# Altium PCB Main_PCB.PcbDoc (part 2 of 13)
Units mil, origin at the board's own origin, x right, y up, seen from the top; angles counter-clockwise.
Board outline 5200 x 6000 mil, 12 copper layers (Top (L1), Int1 (l2), Int2 (L3), Int3 (L4), Int4 (L5), Int5 (L6), Int6 (L7), Int7 (L8), Int8 (L9), Int9 (L10), Int10 (L11), Bot (L12)), stack 94.81 mil thick; 88 components, 424 nets, 1789 pads, 1684 vias.
Unrouted connection lines stored in the file: 914.
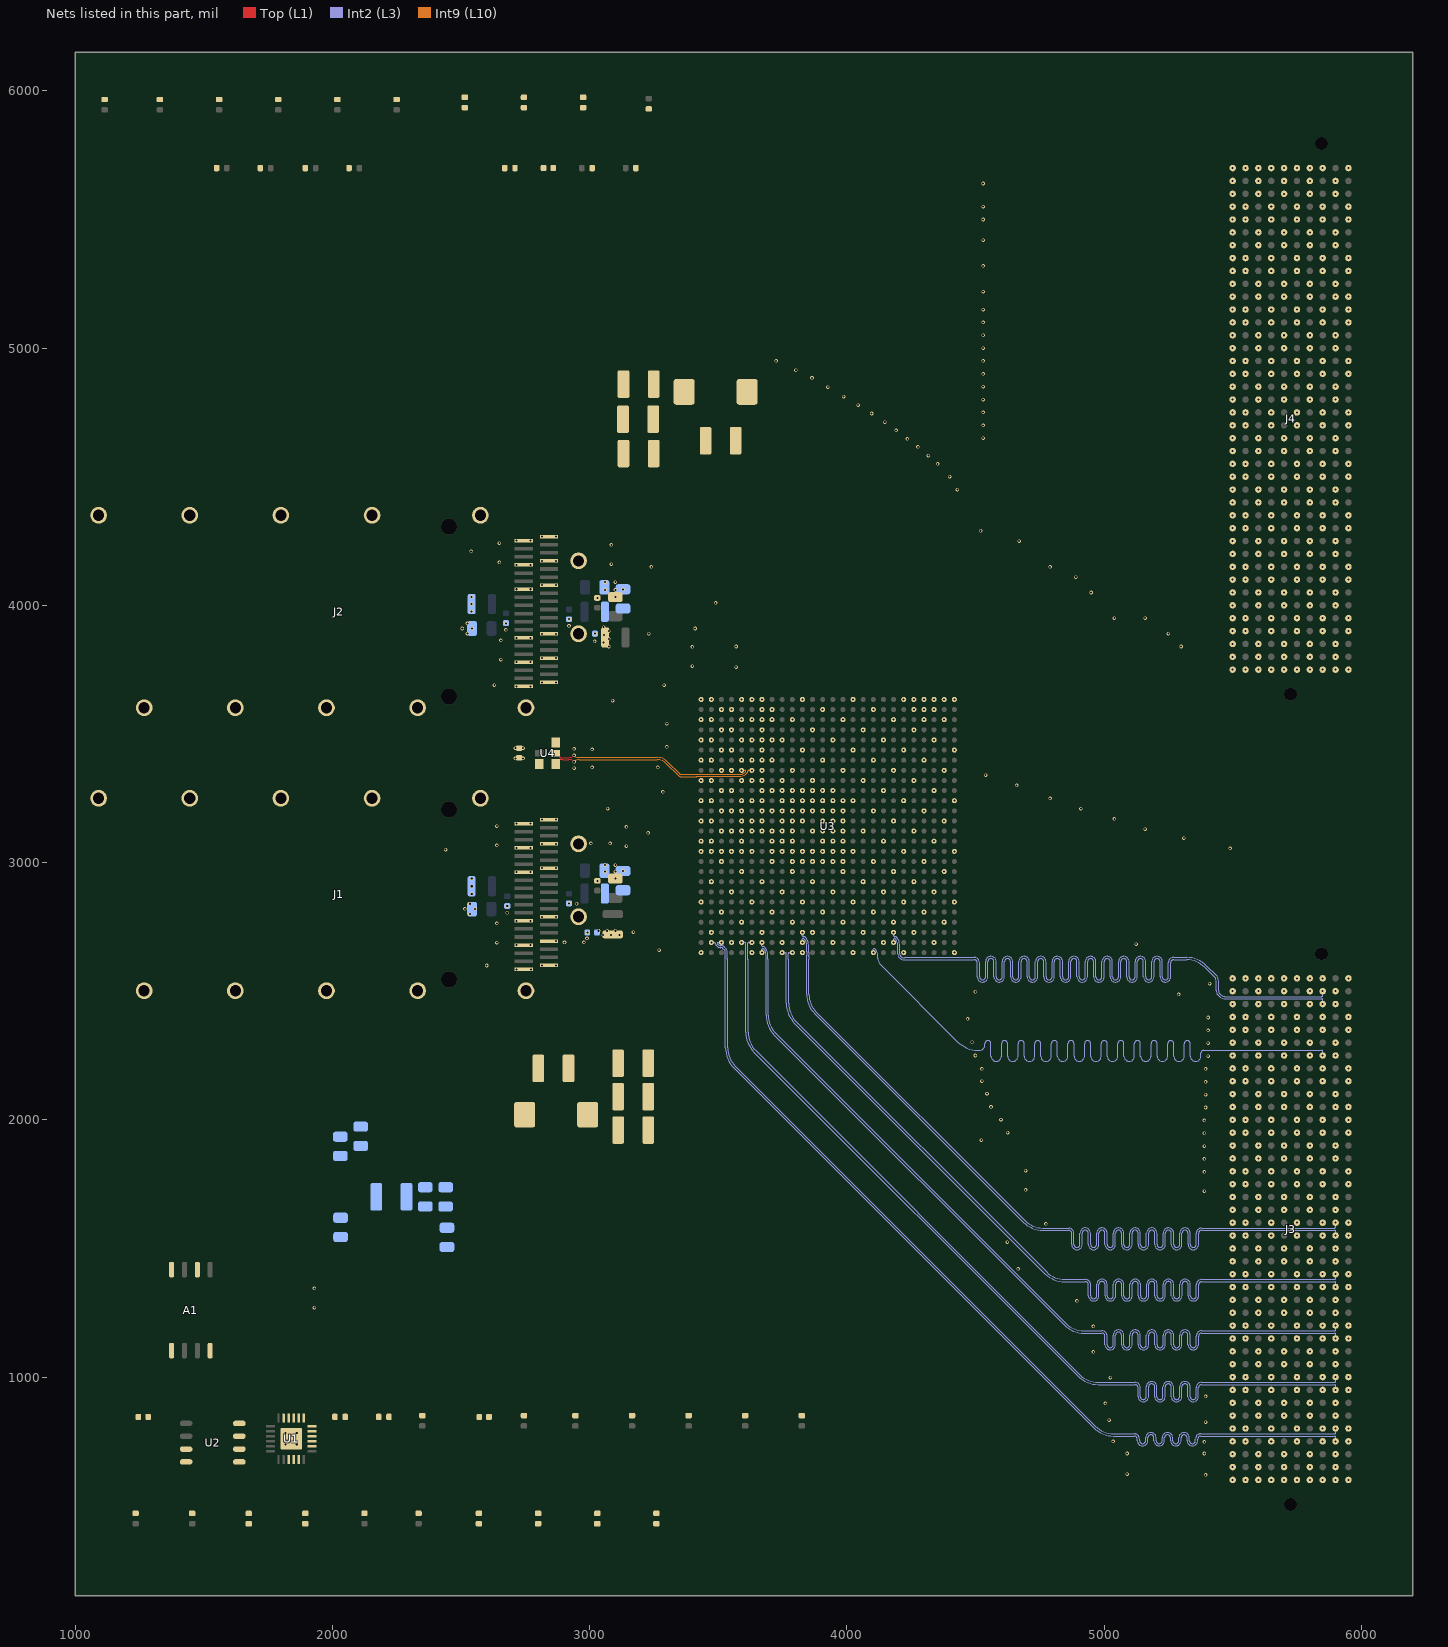
[diagram p12: the nets of this part, all layers, seen from the top]

## Footprints (in the part's own frame and the unit in brackets; to place one, negate y for a bottom-side part, rotate by r counter-clockwise, add the part's x,y. Pads: shape width x height; smd on the part's side, far side on the other; paste and mask are expansions set on the pad) (continued)
SAMTEC_ASP-134486-01 [mm]
  round 0.64 smd paste-1: A1(-24.765,5.715) A2(-23.495,5.715) A3(-22.225,5.715) A4(-20.955,5.715) A5(-19.685,5.715) A6(-18.415,5.715) A7(-17.145,5.715) A8(-15.875,5.715) A9(-14.605,5.715) A10(-13.335,5.715) A11(-12.065,5.715) A12(-10.795,5.715) A13(-9.525,5.715) A14(-8.255,5.715) A15(-6.985,5.715) A16(-5.715,5.715) A17(-4.445,5.715) A18(-3.175,5.715) A19(-1.905,5.715) A20(-0.635,5.715) A21(0.635,5.715) A22(1.905,5.715) A23(3.175,5.715) A24(4.445,5.715) A25(5.715,5.715) A26(6.985,5.715) A27(8.255,5.715) A28(9.525,5.715) A29(10.795,5.715) A30(12.065,5.715) A31(13.335,5.715) A32(14.605,5.715) A33(15.875,5.715) A34(17.145,5.715) A35(18.415,5.715) A36(19.685,5.715) A37(20.955,5.715) A38(22.225,5.715) A39(23.495,5.715) A40(24.765,5.715) B1(-24.765,4.445) B2(-23.495,4.445) B3(-22.225,4.445) B4(-20.955,4.445) B5(-19.685,4.445) B6(-18.415,4.445) B7(-17.145,4.445) B8(-15.875,4.445) B9(-14.605,4.445) B10(-13.335,4.445) B11(-12.065,4.445) B12(-10.795,4.445) B13(-9.525,4.445) B14(-8.255,4.445) B15(-6.985,4.445) B16(-5.715,4.445) B17(-4.445,4.445) B18(-3.175,4.445) B19(-1.905,4.445) B20(-0.635,4.445) B21(0.635,4.445) B22(1.905,4.445) B23(3.175,4.445) B24(4.445,4.445) B25(5.715,4.445) B26(6.985,4.445) B27(8.255,4.445) B28(9.525,4.445) B29(10.795,4.445) B30(12.065,4.445) B31(13.335,4.445) B32(14.605,4.445) B33(15.875,4.445) B34(17.145,4.445) B35(18.415,4.445) B36(19.685,4.445) B37(20.955,4.445) B38(22.225,4.445) B39(23.495,4.445) B40(24.765,4.445) C1(-24.765,3.175) C2(-23.495,3.175) C3(-22.225,3.175) C4(-20.955,3.175) C5(-19.685,3.175) C6(-18.415,3.175) C7(-17.145,3.175) C8(-15.875,3.175) C9(-14.605,3.175) C10(-13.335,3.175) C11(-12.065,3.175) C12(-10.795,3.175) C13(-9.525,3.175) C14(-8.255,3.175) C15(-6.985,3.175) C16(-5.715,3.175) C17(-4.445,3.175) C18(-3.175,3.175) C19(-1.905,3.175) C20(-0.635,3.175) C21(0.635,3.175) C22(1.905,3.175) C23(3.175,3.175) C24(4.445,3.175) C25(5.715,3.175) C26(6.985,3.175) C27(8.255,3.175) C28(9.525,3.175) C29(10.795,3.175) C30(12.065,3.175) C31(13.335,3.175) C32(14.605,3.175) C33(15.875,3.175) C34(17.145,3.175) C35(18.415,3.175) C36(19.685,3.175) C37(20.955,3.175) C38(22.225,3.175) C39(23.495,3.175) C40(24.765,3.175) D1(-24.765,1.905) D2(-23.495,1.905) D3(-22.225,1.905) D4(-20.955,1.905) D5(-19.685,1.905) D6(-18.415,1.905) D7(-17.145,1.905) D8(-15.875,1.905) D9(-14.605,1.905) D10(-13.335,1.905) D11(-12.065,1.905) D12(-10.795,1.905) D13(-9.525,1.905) D14(-8.255,1.905) D15(-6.985,1.905) D16(-5.715,1.905) D17(-4.445,1.905) D18(-3.175,1.905) D19(-1.905,1.905) D20(-0.635,1.905) D21(0.635,1.905) D22(1.905,1.905) D23(3.175,1.905) D24(4.445,1.905) D25(5.715,1.905) D26(6.985,1.905) D27(8.255,1.905) D28(9.525,1.905) D29(10.795,1.905) D30(12.065,1.905) D31(13.335,1.905) D32(14.605,1.905) D33(15.875,1.905) D34(17.145,1.905) D35(18.415,1.905) D36(19.685,1.905) D37(20.955,1.905) D38(22.225,1.905) D39(23.495,1.905) D40(24.765,1.905) E1(-24.765,0.635) E2(-23.495,0.635) E3(-22.225,0.635) E4(-20.955,0.635) E5(-19.685,0.635) E6(-18.415,0.635) E7(-17.145,0.635) E8(-15.875,0.635) E9(-14.605,0.635) E10(-13.335,0.635) E11(-12.065,0.635) E12(-10.795,0.635) E13(-9.525,0.635) E14(-8.255,0.635) E15(-6.985,0.635) E16(-5.715,0.635) E17(-4.445,0.635) E18(-3.175,0.635) E19(-1.905,0.635) E20(-0.635,0.635) E21(0.635,0.635) E22(1.905,0.635) E23(3.175,0.635) E24(4.445,0.635) E25(5.715,0.635) E26(6.985,0.635) E27(8.255,0.635) E28(9.525,0.635) E29(10.795,0.635) E30(12.065,0.635) E31(13.335,0.635) E32(14.605,0.635) E33(15.875,0.635) E34(17.145,0.635) E35(18.415,0.635) E36(19.685,0.635) E37(20.955,0.635) E38(22.225,0.635) E39(23.495,0.635) E40(24.765,0.635) F1(-24.765,-0.635) F2(-23.495,-0.635) F3(-22.225,-0.635) F4(-20.955,-0.635) F5(-19.685,-0.635) F6(-18.415,-0.635) F7(-17.145,-0.635) F8(-15.875,-0.635) F9(-14.605,-0.635) F10(-13.335,-0.635) F11(-12.065,-0.635) F12(-10.795,-0.635) F13(-9.525,-0.635) F14(-8.255,-0.635) F15(-6.985,-0.635) F16(-5.715,-0.635) F17(-4.445,-0.635) F18(-3.175,-0.635) F19(-1.905,-0.635) F20(-0.635,-0.635) F21(0.635,-0.635) F22(1.905,-0.635) F23(3.175,-0.635) F24(4.445,-0.635) F25(5.715,-0.635) F26(6.985,-0.635) F27(8.255,-0.635) F28(9.525,-0.635) F29(10.795,-0.635) F30(12.065,-0.635) F31(13.335,-0.635) F32(14.605,-0.635) F33(15.875,-0.635) F34(17.145,-0.635) F35(18.415,-0.635) F36(19.685,-0.635) F37(20.955,-0.635) F38(22.225,-0.635) F39(23.495,-0.635) F40(24.765,-0.635) G1(-24.765,-1.905) G2(-23.495,-1.905) G3(-22.225,-1.905) G4(-20.955,-1.905) G5(-19.685,-1.905) G6(-18.415,-1.905) G7(-17.145,-1.905) G8(-15.875,-1.905) G9(-14.605,-1.905) G10(-13.335,-1.905) G11(-12.065,-1.905) G12(-10.795,-1.905) G13(-9.525,-1.905) G14(-8.255,-1.905) G15(-6.985,-1.905) G16(-5.715,-1.905) G17(-4.445,-1.905) G18(-3.175,-1.905) G19(-1.905,-1.905) G20(-0.635,-1.905) G21(0.635,-1.905) G22(1.905,-1.905) G23(3.175,-1.905) G24(4.445,-1.905) G25(5.715,-1.905) G26(6.985,-1.905) G27(8.255,-1.905) G28(9.525,-1.905) G29(10.795,-1.905) G30(12.065,-1.905) G31(13.335,-1.905) G32(14.605,-1.905) G33(15.875,-1.905) G34(17.145,-1.905) G35(18.415,-1.905) G36(19.685,-1.905) G37(20.955,-1.905) G38(22.225,-1.905) G39(23.495,-1.905) G40(24.765,-1.905) H1(-24.765,-3.175) H2(-23.495,-3.175) H3(-22.225,-3.175) H4(-20.955,-3.175) H5(-19.685,-3.175) H6(-18.415,-3.175) H7(-17.145,-3.175) H8(-15.875,-3.175) H9(-14.605,-3.175) H10(-13.335,-3.175) H11(-12.065,-3.175) H12(-10.795,-3.175) H13(-9.525,-3.175) H14(-8.255,-3.175) H15(-6.985,-3.175) H16(-5.715,-3.175) H17(-4.445,-3.175) H18(-3.175,-3.175) H19(-1.905,-3.175) H20(-0.635,-3.175) H21(0.635,-3.175) H22(1.905,-3.175) H23(3.175,-3.175) H24(4.445,-3.175) H25(5.715,-3.175) H26(6.985,-3.175) H27(8.255,-3.175) H28(9.525,-3.175) H29(10.795,-3.175) H30(12.065,-3.175) H31(13.335,-3.175) H32(14.605,-3.175) H33(15.875,-3.175) H34(17.145,-3.175) H35(18.415,-3.175) H36(19.685,-3.175) H37(20.955,-3.175) H38(22.225,-3.175) H39(23.495,-3.175) H40(24.765,-3.175) J1(-24.765,-4.445) J2(-23.495,-4.445) J3(-22.225,-4.445) J4(-20.955,-4.445) J5(-19.685,-4.445) J6(-18.415,-4.445) J7(-17.145,-4.445) J8(-15.875,-4.445) J9(-14.605,-4.445) J10(-13.335,-4.445) J11(-12.065,-4.445) J12(-10.795,-4.445) J13(-9.525,-4.445) J14(-8.255,-4.445) J15(-6.985,-4.445) J16(-5.715,-4.445) J17(-4.445,-4.445) J18(-3.175,-4.445) J19(-1.905,-4.445) J20(-0.635,-4.445) J21(0.635,-4.445) J22(1.905,-4.445) J23(3.175,-4.445) J24(4.445,-4.445) J25(5.715,-4.445) J26(6.985,-4.445) J27(8.255,-4.445) J28(9.525,-4.445) J29(10.795,-4.445) J30(12.065,-4.445) J31(13.335,-4.445) J32(14.605,-4.445) J33(15.875,-4.445) J34(17.145,-4.445) J35(18.415,-4.445) J36(19.685,-4.445) J37(20.955,-4.445) J38(22.225,-4.445) J39(23.495,-4.445) J40(24.765,-4.445) K1(-24.765,-5.715) K2(-23.495,-5.715) K3(-22.225,-5.715) K4(-20.955,-5.715) K5(-19.685,-5.715) K6(-18.415,-5.715) K7(-17.145,-5.715) K8(-15.875,-5.715) K9(-14.605,-5.715) K10(-13.335,-5.715) K11(-12.065,-5.715) K12(-10.795,-5.715) K13(-9.525,-5.715) K14(-8.255,-5.715) K15(-6.985,-5.715) K16(-5.715,-5.715) K17(-4.445,-5.715) K18(-3.175,-5.715) K19(-1.905,-5.715) K20(-0.635,-5.715) K21(0.635,-5.715) K22(1.905,-5.715) K23(3.175,-5.715) K24(4.445,-5.715) K25(5.715,-5.715) K26(6.985,-5.715) K27(8.255,-5.715) K28(9.525,-5.715) K29(10.795,-5.715) K30(12.065,-5.715) K31(13.335,-5.715) K32(14.605,-5.715) K33(15.875,-5.715) K34(17.145,-5.715) K35(18.415,-5.715) K36(19.685,-5.715) K37(20.955,-5.715) K38(22.225,-5.715) K39(23.495,-5.715) K40(24.765,-5.715)
  round 1.27 hole 1.27 unplated: ""(-27.189,3.05) ""(27.191,0)
  silkscreen extent -28.66,-6.62 28.76,6.62, body extent -28.73,-6.62 28.73,6.62, height 6.56
STM-SOIC-8_L [mm] "SOIC, 8-Leads, Body 5x4mm, Pitch 1.27mm, IPC High Density"
  oval 1.25x0.55 smd: 1(-2.625,1.905) 2(-2.625,0.635) 3(-2.625,-0.635) 4(-2.625,-1.905) 5(2.625,-1.905) 6(2.625,-0.635) 7(2.625,0.635) 8(2.625,1.905)
  silkscreen extent -2.75,-2.5 1.6,2.85, body extent -3,-2.5 3,2.5, height 1.75

## Part data
A1: library part MT25QL128ABA1ESE_Socket_ACA-SPI-004, "FLASH - NOR Memory IC 128Mbit SPI (Q)SPI 133 MHz 8-SO In ACA-SPI-004-K01 socket", Manufacturer="Micron Technology Inc, LOTES", PartNumber=MT25QL128ABA1ESE
C1 C2 C3 C4 C6 C8 C10 C12 C14 C16 C18 C37: library part C_0402_Generic, "CAP CER 0.1UF 25V X7R 0402"
C5 C7 C9 C11 C13 C15 C17 C19: library part C_0805_Generic, "CAP CER 22UF 25V X5R 0805"
C20 C21 C22 C28 C29 C30: library part C_0805_Generic, "4.7u 16V X7R SMD ceramic capacitor in 0805 size"
C23 C24 C27: library part C_1210_Generic, "100uF 6.3V X5R SMD ceramic capacitor in 1210 size / GRM32ER60J107ME20L"
C25 C26: library part C_TANT_EIA-7343-20, "330uF 2.5V SMD tantalum capacitor in EIA-7343-20 size / T520V337M2R5ATE025"
C31 C32 C33 C34 C35 C36: library part C_1210_Generic, "47uF 6.3V X7R SMD ceramic capacitor in 1210 size / GRM32ER70J476ME20L"
J1 J2: library part U95T151100A, "NOTE: Notes Also uses one FS1-Z38-20Z6-60. 38 Position QSFP+ Receptacle", Package=None, Availability="In Stock", Check_prices=https://www.snapeda.com/parts/U95T151100A/Amphenol/view-part/?ref=eda, MF=Amphenol, MP=U95T151100A, Price=None, Purchase-URL=https://pricing.snapeda.com/search/part/U95T151100A/?ref=eda, SnapEDA_Link=https://www.snapeda.com/parts/U95T151100A/Amphenol/view-part/?ref=snap
J3 J4: "400 Position Connector Array, Female Sockets Surface Mount Gold", Package=None, Availability="In Stock", Check_prices=https://www.snapeda.com/parts/ASP-134486-01/Samtec/view-part/?ref=eda, MF="Samtec Inc.", MP=ASP-134486-01, Price=None, Purchase-URL=https://pricing.snapeda.com/search/part/ASP-134486-01/?ref=eda, SnapEDA_Link=https://www.snapeda.com/parts/ASP-134486-01/Samtec/view-part/?ref=snap
L1 L2 L3 L4 L5 L6: library part DFE252012F-1R0M=P2, "1µH Shielded 3.3A 40mOhm 1008 Inductor / DFE252012F-1R0M=P2"
R1 R2 R3 R8 R9 R10 R11 R12 R13 R14 R15 R16 R17 R18 R19 R20 R21 R22 R23 R24 R25 R26 R27 R28 R29 R30 R31 R32 R33 R34 R35: library part R_0402_Generic, "RES 4.7K OHM 1% 1/16W 0402"
R4 R5 R6 R7: library part R_0402_Generic, "RES 27 OHM 1% 1/16W 0402"
R36: library part R_0402_Generic, "RES 100 OHM 0.5% 1/16W 0402"
U1: library part PCA9548ABS,118, "8-channel I 2 C-bus switch, 24-HVQFN"
U2: library part CMP-2000-06639-1, "I2C Bus EEPROM, 8 Kbits, 2.5 to 5.5 V, -40 to 85 degC, 8-Pin SOIC, RoHS, Tape and Reel", Frequency=0.4MHz, Manufacturer=STMicroelectronics, Operating Supply Voltage (Max)=5.5V, Operating Supply Voltage (Min)=2.5V, Operating Supply Voltage (Typ)=3.3/5V, Operating Temp Range=-40Cto85C, Operating Temperature (Max)=85C, Operating Temperature (Min)=-40C, Operating Temperature Classification=Industrial, Package Description="8-Pin Small Outline Integrated Circuit, Body 4.9 x 3.9 mm, Pitch 1.27 mm", Package Reference=SOIC-8, Package Type=SOICN, Supply Current=2mA, Access Time (Max)=900ns, Data Retention=40, Datasheet URL=http://www.st.com/content/ccc/resource/technical/document/datasheet/cc/f5/a5/01/6f/4b/47/d2/DM00070057.pdf/files/DM00070057.pdf/jcr:content/translations/en.DM00070057.pdf, Datasheet Version="Rev. 4, 06/2014", DELETED=Compliant, Density=8192Bit, Frequency (Max)=0.4MHz, Interface Type=Serial(I2C), Manufacturer URL=http://www.st.com/, Mounting=SurfaceMount, Mounting Technology=SurfaceMount, Organization=1Kx8, Packaging=TapeandReel, Pin Count=8, Programmable=Yes, Rad Hardened=No, Write Protection=Yes
U3: library part XC7K160T, "Kintex-7 FPGA, 400 User I/Os, 8 GTX, 676-Ball BGA, Speed Grade 2, Industrial Grade, Pb-Free", Manufacturer=Xilinx, Code_JEDEC=MS-034-AAL-1, ComponentLink1Description=Datasheet, ComponentLink1URL=http://www.xilinx.com/support/documentation/data_sheets/ds180_7Series_Overview.pdf, ComponentLink2Description="Package Specification", ComponentLink2URL=http://www.xilinx.com/support/documentation/user_guides/ug865-Zynq-7000-Pkg-Pinout.pdf, DatasheetVersion=v1.12, Generic Part Number=XC7K160T, GTX=8, Mounting Technology="Surface Mount", PackageDescription="Flip-Chip BGA, Body 27 x 27 mm, 1.0 mm Pitch", PackageReference=FFG676, PackageVersion="Rev 1.1", PartNumber=XC7K160T-2FFG676I, RoHS=Pb-Free, SelectIO HP=150, SelectIO HR=250, Speed Grade=-2
U4: "MEMS OSC XO 156.2500MHZ LVDS SMD"

## Via types
v1: diameter 13.78, hole 7.87, Top (L1) to Bot (L12), tented both sides, 1680 vias
v2: diameter 19.68, hole 7.87, Top (L1) to Bot (L12), tented both sides, 4 vias

## Nets (pads, with @x,y where several pads share a name; then routed paths per layer and width w, separated by ;. In a path a pad name is that pad's centre, name@x,y a point inside that pad or via, vN(x,y) a via of type N, cw(c..) or ccw(c..) an arc to the next point about the centre after c; other vN are vias at no path point)
1V0: C20.2 C25.1 C26.1 C27.2 C28.2 C29.2 C30.2 U3.C6 U3.E6 U3.G6 U3.J6 U3.J9 U3.K8 U3.K10 U3.K12 U3.K14 U3.L6 U3.L9 U3.L13 U3.L15 U3.M8 U3.M14 U3.N9 U3.N13 U3.N15 U3.P14 U3.R13 U3.R15 U3.T12 U3.T14 U3.U13 U3.U15
  other v1: 3906.3,3004.33 3985.04,3004.33 3866.93,3043.7 3945.67,3043.7 3906.3,3083.07 3985.04,3083.07 3945.67,3122.44 3748.82,3161.81 3906.3,3161.81 3985.04,3161.81 3709.45,3201.18 3945.67,3201.18 3630.71,3240.55 3748.82,3240.55 3906.3,3240.55 3985.04,3240.55 3709.45,3279.92 3788.19,3279.92 3866.93,3279.92 3945.67,3279.92 3630.71,3319.29 3748.82,3319.29 3630.71,3398.03 3630.71,3476.77 3630.71,3555.51
1V2: C21.2 R36.1 U3.B3 U3.C2 U3.D3 U3.G2 U3.H3 U3.L2 U3.M3 U3.M5
  other v1: 3512.6,3201.18 3591.34,3201.18 3473.23,3240.55 3512.6,3358.66 3473.23,3398.03 3512.6,3516.14 3473.23,3555.51 3512.6,3594.88
1V8: C22.2 C23.2 C24.2 C31.2 C32.2 C33.2 C35.2 J3.K28 J3.K29 J3.K32 J3.K33 J3.K36 J3.K37 J4.K28 J4.K29 J4.K32 J4.K33 J4.K36 J4.K37 U3.A11 U3.AA1 U3.AA11 U3.AA21 U3.AB8 U3.AB18 U3.AC5 U3.AC15 U3.AC25 U3.AD2 U3.AD12 U3.AD22 U3.AE9 U3.AE19 U3.AF6 U3.AF16 U3.AF26 U3.B8 U3.B18 U3.C15 U3.D12 U3.E9 U3.E19 U3.F16 U3.G13 U3.H10 U3.H20 U3.J17 U3.K24 U3.L11 U3.M10 U3.M12 U3.M18 U3.N6 U3.N25 U3.P8 U3.P10 U3.P22 U3.R9 U3.R19 U3.T8 U3.T10 U3.T16 U3.T26 U3.U3 U3.U11 U3.U23 U3.V10 U3.V20 U3.W7 U3.W17 U3.Y4 U3.Y14 U3.Y24
  other v1: 5500,750 5500,800 5500,950 5500,1000 5500,1150 5500,1200 3630.71,2650 4024.41,2650 4418.11,2650 3748.82,2689.37 4142.52,2689.37 3473.23,2728.74 3866.93,2728.74 4260.63,2728.74 3591.34,2768.11 3985.04,2768.11 4378.74,2768.11 3709.45,2807.48 4103.15,2807.48 3433.86,2846.85 3827.56,2846.85 4221.26,2846.85 3551.97,2886.22 3945.67,2886.22 4339.37,2886.22 3670.08,2925.59 4063.78,2925.59 3788.19,2964.96 4181.89,2964.96 3512.6,3004.33 3827.56,3004.33 4300,3004.33 3709.45,3043.7 3788.19,3043.7 4024.41,3043.7 4418.11,3043.7 3748.82,3083.07 4142.52,3083.07 3709.45,3122.44 3788.19,3122.44 4260.63,3122.44 3630.71,3161.81 4378.74,3161.81 3788.19,3201.18 3866.93,3201.18 4103.15,3201.18 3827.56,3240.55 4339.37,3279.92 4063.78,3319.29 3788.19,3358.66 4181.89,3358.66 3906.3,3398.03 4024.41,3437.4 3748.82,3476.77 4142.52,3476.77 3866.93,3516.14 3985.04,3555.51 3709.45,3594.88 4103.15,3594.88 3827.56,3634.25 5500,3900 5500,3950 5500,4100 5500,4150 5500,4300 5500,4350
1V25REF: U3.P12
  other v1: 3866.93,3122.44
3V3: A1.8 C1.2 C2.2 C3.2 C4.2 C5.2 C6.2 C7.2 C34.2 C36.2 C37.2 J3.K4 J3.K5 J3.K8 J3.K9 J3.K12 J3.K13 J3.K16 J3.K17 J3.K20 J3.K21 J3.K24 J3.K25 J4.K4 J4.K5 J4.K8 J4.K9 J4.K12 J4.K13 J4.K16 J4.K17 J4.K20 J4.K21 J4.K24 J4.K25 L1.1 L2.1 L3.1 L4.1 L5.1 L6.1 R1.2 R2.2 R3.2 R8.2 R9.2 R10.2 R11.2 R12.2 R13.2 R14.2 R15.2 R16.2 R17.2 R18.2 R19.2 R20.2 R21.2 R22.2 R23.2 R24.2 R25.2 R26.2 R27.2 R28.2 R29.2 R30.2 R31.2 R32.2 R33.2 R34.2 R35.2 U1.21 U2.3 U2.8 U3.A21 U3.C25 U3.D22 U3.F26 U3.G23 U3.L7 U3.L21 U3.P7 U3.T5 U3.T6 U4.1 U4.6
  other v1: 5500,1350 5500,1400 5500,1550 5500,1600 5500,1750 5500,1800 5500,1950 5500,2000 5500,2150 5500,2200 5500,2350 5500,2400 3052.52,2717.63 3084,2717.63 3116,2718 3035,2735 3068,2735 3100.11,2735 2542,2878 2542,2908 2542,2938 3591.34,3043.7 3630.71,3043.7 3670.08,3122.44 3670.08,3240.55 4221.26,3240.55 4300,3398.03 4418.11,3437.4 2711.5,3445 2741.5,3445 4260.63,3516.14 4378.74,3555.51 4221.26,3634.25 3075,3840 3055,3855 3075,3870 3055.63,3885 3075,3900 3055,3915 2541.63,3976.63 2541.63,4005 2541.63,4033.37 5500,4500 5500,4550 5500,4700 5500,4750 5500,4900 5500,4950 5500,5100 5500,5150 5500,5300 5500,5350 5500,5500 5500,5550
3V3AUX: J3.A11 J4.A11
  other v1: 5950,2050 5950,5200
EEPROM_I2C_SCL: R20.1 U1.11 U2.6
EEPROM_I2C_SDA: R19.1 U1.10 U2.5
FGPA_I2C_SCL: R9.1 U1.19 U3.A24
  other v1: 4339.37,3634.25
FGPA_I2C_SDA: R8.1 U1.20 U3.A23
  other v1: 4300,3634.25
FPGA_CONFDONE: R33.1 U3.J7
  other v1: 3670.08,3319.29
FPGA_FLASH_H\O\L\D\/D3: R4.1 U3.A22
  other v1: 4260.63,3634.25
FPGA_FLASH_MISO/D1: R6.1 U3.A25
  other v1: 4378.74,3634.25
FPGA_FLASH_MOSI/D0: R7.1 U3.B24
  other v1: 4339.37,3594.88
FPGA_FLASH_S\S\: A1.1 R1.1 U3.C23
  other v1: 4300,3555.51
FPGA_FLASH_SCK: A1.6 U3.C8
  other v1: 3709.45,3555.51
FPGA_FLASH_W\/D2: R5.1 U3.B22
  other v1: 4260.63,3594.88
FPGA_I2C_EXT0_SCL: R24.1 U1.15
FPGA_I2C_EXT0_SDA: R23.1 U1.14
FPGA_I2C_EXT1_SCL: R26.1 U1.17
FPGA_I2C_EXT1_SDA: R25.1 U1.16
FPGA_INIT/CRCERR: R34.1 U3.G7
  other v1: 3670.08,3398.03
FPGA_R\E\S\E\T\: R35.1 U3.P6
  other v1: 3630.71,3122.44
GND: A1.4 C1.1 C2.1 C3.1 C4.1 C5.1 C6.1 C7.1 C8.1 C9.1 C10.1 C11.1 C12.1 C13.1 C14.1 C15.1 C16.1 C17.1 C18.1 C19.1 C20.1 C21.1 C22.1 C23.1 C24.1 C25.2 C26.2 C27.1 C28.1 C29.1 C30.1 C31.1 C32.1 C33.1 C34.1 C35.1 C36.1 C37.1 J1.1 J1.4 J1.7 J1.13 J1.16 J1.19 J1.20 J1.23 J1.26 J1.32 J1.35 J1.38 J1.G1 J1.G2 J1.G3 J1.G4 J1.G5 J1.G6 J1.G7 J1.G8 J1.G9 J1.G10 J1.G11 J1.G12 J2.1 J2.4 J2.7 J2.13 J2.16 J2.19 J2.20 J2.23 J2.26 J2.32 J2.35 J2.38 J2.G1 J2.G2 J2.G3 J2.G4 J2.G5 J2.G6 J2.G7 J2.G8 J2.G9 J2.G10 J2.G11 J2.G12 J3.A1 J3.A4 J3.A5 J3.A8 J3.A9 J3.A12 J3.A13 J3.A16 J3.A17 J3.A20 J3.A21 J3.A24 J3.A25 J3.A28 J3.A29 J3.A32 J3.A33 J3.A36 J3.A37 J3.A40 J3.B2 J3.B3 J3.B6 J3.B7 J3.B10 J3.B11 J3.B14 J3.B15 J3.B18 J3.B19 J3.B22 J3.B23 J3.B26 J3.B27 J3.B30 J3.B31 J3.B34 J3.B35 J3.B38 J3.B39 J3.B40 J3.C1 J3.C4 J3.C5 J3.C8 J3.C9 J3.C12 J3.C13 J3.C16 J3.C17 J3.C20 J3.C21 J3.C24 J3.C25 J3.C28 J3.C29 J3.C32 J3.C33 J3.C36 J3.C37 J3.C40 J3.D1 J3.D2 J3.D3 J3.D6 J3.D7 J3.D10 J3.D11 J3.D14 J3.D15 J3.D18 J3.D19 J3.D22 J3.D23 J3.D26 J3.D27 J3.D30 J3.D31 J3.D34 J3.D35 J3.D38 J3.D39 J3.D40 J3.E1 J3.E4 J3.E5 J3.E8 J3.E9 J3.E12 J3.E13 J3.E16 J3.E17 J3.E20 J3.E21 J3.E24 J3.E25 J3.E28 J3.E29 J3.E32 J3.E33 J3.E36 J3.E37 J3.E40 J3.F1 J3.F2 J3.F3 J3.F6 J3.F7 J3.F10 J3.F11 J3.F14 J3.F15 J3.F18 J3.F19 J3.F22 J3.F23 J3.F26 J3.F27 J3.F30 J3.F31 J3.F34 J3.F35 J3.F38 J3.F39 J3.F40 J3.G1 J3.G4 J3.G5 J3.G8 J3.G9 J3.G12 J3.G13 J3.G16 J3.G17 J3.G20 J3.G21 J3.G24 J3.G25 J3.G28 J3.G29 J3.G32 J3.G33 J3.G36 J3.G37 J3.G40 J3.H1 J3.H2 J3.H3 J3.H6 J3.H7 J3.H10 J3.H11 J3.H14 J3.H15 J3.H18 J3.H19 J3.H22 J3.H23 J3.H26 J3.H27 J3.H30 J3.H31 J3.H34 J3.H35 J3.H38 J3.H39 J3.H40 J3.J1 J3.J4 J3.J5 J3.J8 J3.J9 J3.J12 J3.J13 J3.J16 J3.J17 J3.J20 J3.J21 J3.J24 J3.J25 J3.J28 J3.J29 J3.J32 J3.J33 J3.J36 J3.J37 J3.J40 J3.K1 J3.K2 J3.K3 J3.K6 J3.K7 J3.K10 J3.K11 J3.K14 J3.K15 J3.K18 J3.K19 J3.K22 J3.K23 J3.K26 J3.K27 J3.K30 J3.K31 J3.K34 J3.K35 J3.K38 J3.K39 J3.K40 J4.A1 J4.A4 J4.A5 J4.A8 J4.A9 J4.A12 J4.A13 J4.A16 J4.A17 J4.A20 J4.A21 J4.A24 J4.A25 J4.A28 J4.A29 J4.A32 J4.A33 J4.A36 J4.A37 J4.A40 J4.B2 J4.B3 J4.B6 J4.B7 J4.B10 J4.B11 J4.B14 J4.B15 J4.B18 J4.B19 J4.B22 J4.B23 J4.B26 J4.B27 J4.B30 J4.B31 J4.B34 J4.B35 J4.B38 J4.B39 J4.B40 J4.C1 J4.C4 J4.C5 J4.C8 J4.C9 J4.C12 J4.C13 J4.C16 J4.C17 J4.C20 J4.C21 J4.C24 J4.C25 J4.C28 J4.C29 J4.C32 J4.C33 J4.C36 J4.C37 J4.C40 J4.D1 J4.D2 J4.D3 J4.D6 J4.D7 J4.D10 J4.D11 J4.D14 J4.D15 J4.D18 J4.D19 J4.D22 J4.D23 J4.D26 J4.D27 J4.D30 J4.D31 J4.D34 J4.D35 J4.D38 J4.D39 J4.D40 J4.E1 J4.E4 J4.E5 J4.E8 J4.E9 J4.E12 J4.E13 J4.E16 J4.E17 J4.E20 J4.E21 J4.E24 J4.E25 J4.E28 J4.E29 J4.E32 J4.E33 J4.E36 J4.E37 J4.E40 J4.F1 J4.F2 J4.F3 J4.F6 J4.F7 J4.F10 J4.F11 J4.F14 J4.F15 J4.F18 J4.F19 J4.F22 J4.F23 J4.F26 J4.F27 J4.F30 J4.F31 J4.F34 J4.F35 J4.F38 J4.F39 J4.F40 J4.G1 J4.G4 J4.G5 J4.G8 J4.G9 J4.G12 J4.G13 J4.G16 J4.G17 J4.G20 J4.G21 J4.G24 J4.G25 J4.G28 J4.G29 J4.G32 J4.G33 J4.G36 J4.G37 J4.G40 J4.H1 J4.H2 J4.H3 J4.H6 J4.H7 J4.H10 J4.H11 J4.H14 J4.H15 J4.H18 J4.H19 J4.H22 J4.H23 J4.H26 J4.H27 J4.H30 J4.H31 J4.H34 J4.H35 J4.H38 J4.H39 J4.H40 J4.J1 J4.J4 J4.J5 J4.J8 J4.J9 J4.J12 J4.J13 J4.J16 J4.J17 J4.J20 J4.J21 J4.J24 J4.J25 J4.J28 J4.J29 J4.J32 J4.J33 J4.J36 J4.J37 J4.J40 J4.K1 J4.K2 J4.K3 J4.K6 J4.K7 J4.K10 J4.K11 J4.K14 J4.K15 J4.K18 J4.K19 J4.K22 J4.K23 J4.K26 J4.K27 J4.K30 J4.K31 J4.K34 J4.K35 J4.K38 J4.K39 J4.K40 U1.9 U1.18 U1.22 U1.23 U1.25 U2.4 U2.7 U3.A1 U3.A2 U3.A5 U3.A6 U3.A7 U3.A16 U3.A26 U3.AA6 U3.AA16 U3.AA26 U3.AB3 U3.AB13 U3.AB23 U3.AC10 U3.AC20 U3.AD7 U3.AD17 U3.AE4 U3.AE14 U3.AE24 U3.AF1 U3.AF11 U3.AF21 U3.B4 U3.B7 U3.B13 U3.B23 U3.C1 U3.C5 U3.C7 U3.C10 U3.C20 U3.D4 U3.D7 U3.D17 U3.E1 U3.E2 U3.E5 U3.E7 U3.E8 U3.E14 U3.E24 U3.F3 U3.F4 U3.F7 U3.F11 U3.F21 U3.G1 U3.G5 U3.G8 U3.G18 U3.H4 U3.H7 U3.H15 U3.H25 U3.J1 U3.J2 U3.J5 U3.J12 U3.J22 U3.K3 U3.K4 U3.K7 U3.K9 U3.K11 U3.K13 U3.K19 U3.L1 U3.L5 U3.L10 U3.L12 U3.L14 U3.L16 U3.L26 U3.M4 U3.M7 U3.M9 U3.M11 U3.M13 U3.M15 U3.M23 U3.N1 U3.N2 U3.N5 U3.N7 U3.N10 U3.N11 U3.N14 U3.N20 U3.P3 U3.P4 U3.P5 U3.P9 U3.P13 U3.P15 U3.P17 U3.R1 U3.R2 U3.R5 U3.R8 U3.R10 U3.R14 U3.R24 U3.T1 U3.T2 U3.T3 U3.T4 U3.T9 U3.T11 U3.T13 U3.T15 U3.T21 U3.U8 U3.U10 U3.U12 U3.U14 U3.U18 U3.V5 U3.V15 U3.V25 U3.W2 U3.W12 U3.W22 U3.Y9 U3.Y19 U4.3
  other v1: 5500,600 5550,600 5600,600 5650,600 5700,600 5750,600 5800,600 5850,600 5900,600 5950,600 5395,620 5090,622.84 5500,650 5600,650 5700,650 5800,650 5900,650 5500,700 5600,700 5700,700 5800,700 5900,700 5090,702.84 5390,702.84 5390,747.84 5035,749.84 5550,750 5650,750 5750,750 5850,750 5950,750 5550,800 5650,800 5750,800 5850,800 5950,800 5395,825 5020,832.84 5500,850 5600,850 5700,850 5800,850 5900,850 5005,897.84 5500,900 5600,900 5700,900 5800,900 5900,900 5395,925 5550,950 5650,950 5750,950 5850,950 5950,950 5025,997.84 5550,1000 5650,1000 5750,1000 5850,1000 5950,1000 5500,1050 5600,1050 5700,1050 5800,1050 5900,1050 4958.14,1097.72 5500,1100 5600,1100 5700,1100 5800,1100 5900,1100 5550,1150 5650,1150 5750,1150 5850,1150 5950,1150 4958.8,1196.79 5550,1200 5650,1200 5750,1200 5850,1200 5950,1200 5500,1250 5600,1250 5700,1250 5800,1250 5900,1250 1930,1270 4894.47,1296.55 5500,1300 5600,1300 5700,1300 5800,1300 5900,1300 1930,1345 5550,1350 5650,1350 5750,1350 5850,1350 5950,1350 5550,1400 5650,1400 5750,1400 5850,1400 5950,1400 4666.04,1420.34 5500,1450 5600,1450 5700,1450 5800,1450 5900,1450 5500,1500 5600,1500 5700,1500 5800,1500 5900,1500 4623.95,1524.65 5550,1550 5650,1550 5750,1550 5850,1550 5950,1550 4773.93,1595.42 5550,1600 5650,1600 5750,1600 5850,1600 5950,1600 5500,1650 5600,1650 5700,1650 5800,1650 5900,1650 5500,1700 5600,1700 5700,1700 5800,1700 5900,1700 5390,1722.84 4695,1727.84 5550,1750 5650,1750 5750,1750 5850,1750 5950,1750 5390,1797.84 5550,1800 5650,1800 5750,1800 5850,1800 5950,1800 4695,1802.84 5390,1847.84 5500,1850 5600,1850 5700,1850 5800,1850 5900,1850 5390,1897.84 5500,1900 5600,1900 5700,1900 5800,1900 5900,1900 4523.11,1920.66 5390,1947.84 4625,1950 5550,1950 5650,1950 5750,1950 5850,1950 5950,1950 5390,1997.84 5550,2000 5650,2000 5750,2000 5850,2000 5950,2000 4599.38,2001.14 5395,2047.84 4560.53,2050.1 5500,2050 5600,2050 5700,2050 5800,2050 5900,2050 5395,2097.84 5500,2100 5600,2100 5700,2100 5800,2100 5900,2100 4544.97,2101.75 5395,2147.84 4525,2150 5550,2150 5650,2150 5750,2150 5850,2150 5950,2150 4525,2197.84 5395,2197.84 5550,2200 5650,2200 5750,2200 5850,2200 5950,2200 5405,2247.84 4500,2250 5500,2250 5600,2250 5700,2250 5800,2250 5900,2250 5405,2297.84 5500,2300 5600,2300 5700,2300 5800,2300 5900,2300 4487.67,2301.56 5405,2347.84 5550,2350 5650,2350 5750,2350 5850,2350 5950,2350 4470,2392.84 5405,2397.84 5550,2400 5650,2400 5750,2400 5850,2400 5950,2400 5500,2450 5600,2450 5700,2450 5800,2450 5900,2450 5290,2487.84 4500,2497.84 5500,2500 5600,2500 5700,2500 5800,2500 5900,2500 5410.7,2529.85 5500,2550 5550,2550 5600,2550 5650,2550 5700,2550 5750,2550 5800,2550 5850,2550 5950,2550 2716.63,2584.65 2771.44,2584.65 2600,2600 2814.46,2600.39 2870.05,2600.39 3433.86,2650 3827.56,2650 4221.26,2650 3270,2660 2716.21,2679.13 2771.25,2679.13 5125,2682.84 2640,2689 3551.97,2689.37 3945.67,2689.37 4339.37,2689.37 2902.5,2690 2977.5,2690 2869.88,2694.88 2990,2705 2991.1,2728 3670.08,2728.74 4063.78,2728.74 3170,2730 2640,2764 3788.19,2768.11 4181.89,2768.11 2716.21,2773.62 2771.25,2773.62 2814.37,2789.37 2869.63,2789.37 2535,2800 2680,2805 3512.6,2807.48 3906.3,2807.48 4300,2807.48 2515,2820 2555,2820 2680,2831.1 2535,2840 2950,2840 2920,2841.1 3630.71,2846.85 4024.41,2846.85 4418.11,2846.85 3748.82,2886.22 4142.52,2886.22 3473.23,2925.59 3866.93,2925.59 4260.63,2925.59 3030,2929.11 3100,2937.62 2716.21,2962.6 2771.25,2962.6 3060,2965 3100,2965 3591.34,2964.96 3985.04,2964.96 4378.74,2964.96 3130,2967.4 2814.58,2978.35 2869.65,2978.35 3060,2990 3100,2990 3709.45,3004.33 3788.19,3004.33 3866.93,3004.33 3945.67,3004.33 4103.15,3004.33 3433.86,3043.7 3473.23,3043.7 3512.6,3043.7 3551.97,3043.7 3748.82,3043.7 3827.56,3043.7 3906.3,3043.7 3985.04,3043.7 4221.26,3043.7 2440,3050 5490,3055 2716.21,3057.09 2771.25,3057.09 3143,3064 2640,3067 2815.17,3072.83 2869.83,3072.83 3005,3075 3080,3075 3433.86,3083.07 3473.23,3083.07 3591.34,3083.07 3709.45,3083.07 3788.19,3083.07 3945.67,3083.07 4339.37,3083.07 5310,3095 3227.6,3115.82 3512.6,3122.44 3551.97,3122.44 3591.34,3122.44 3748.82,3122.44 3906.3,3122.44 3985.04,3122.44 4063.78,3122.44 5160,3130 3143,3139 2640,3142 2716.21,3151.57 2771.25,3151.57 3433.86,3161.81 3473.23,3161.81 3591.34,3161.81 3670.08,3161.81 3788.19,3161.81 3827.56,3161.81 3945.67,3161.81 4181.89,3161.81 2814.63,3167.32 2869.68,3167.32 5040,3170 3551.97,3201.18 3670.08,3201.18 3748.82,3201.18 3827.56,3201.18 3906.3,3201.18 3985.04,3201.18 4300,3201.18 3070,3210 4910,3210 3433.86,3240.55 3591.34,3240.55 3788.19,3240.55 3866.93,3240.55 3945.67,3240.55 4024.41,3240.55 4418.11,3240.55 4790,3250 3285,3275 3512.6,3279.92 3551.97,3279.92 3670.08,3279.92 3748.82,3279.92 3827.56,3279.92 3906.3,3279.92 4142.52,3279.92 4660,3300 3433.86,3319.29 3473.23,3319.29 3591.34,3319.29 3866.93,3319.29 4260.63,3319.29 4540,3340 3551.97,3358.66 3670.08,3358.66 3985.04,3358.66 4378.74,3358.66 2940,3367 3010,3370 3265,3370 3433.86,3398.03 3591.34,3398.03 3709.45,3398.03 4103.15,3398.03 2711.5,3405 2741.5,3405 3512.6,3437.4 3551.97,3437.4 3670.08,3437.4 3827.56,3437.4 4221.26,3437.4 3010,3440 2940,3442 3300,3450 3433.86,3476.77 3473.23,3476.77 3591.34,3476.77 3670.08,3476.77 3709.45,3476.77 3945.67,3476.77 4339.37,3476.77 3551.97,3516.14 3670.08,3516.14 4063.78,3516.14 3300,3540 3433.86,3555.51 3591.34,3555.51 3670.08,3555.51 3788.19,3555.51 4181.89,3555.51 3551.97,3594.88 3670.08,3594.88 3906.3,3594.88 4300,3594.88 3090,3630 3433.86,3634.25 3473.23,3634.25 3591.34,3634.25 3630.71,3634.25 3670.08,3634.25 4024.41,3634.25 4418.11,3634.25 2716.21,3684.65 2771.25,3684.65 2630,3690 3290,3690 2814.63,3700.39 2869.68,3700.39 5500,3750 5550,3750 5600,3750 5650,3750 5700,3750 5750,3750 5800,3750 5850,3750 5900,3750 5950,3750 3570,3760 3400,3764 2716.21,3779.13 2771.25,3779.13 2655,3789 2814.63,3794.88 2869.68,3794.88 5500,3800 5600,3800 5700,3800 5800,3800 5900,3800 3400,3839 3570,3840 5300,3840 5500,3850 5600,3850 5700,3850 5800,3850 5900,3850 3020,3860 2655,3864 2716.21,3873.62 2771.25,3873.62 2814.63,3889.37 2869.68,3889.37 2525,3890 3021.1,3890 3230,3890 5250,3890 5550,3900 5650,3900 5750,3900 5850,3900 5950,3900 2675,3905 2505,3910 2543.6,3910 3410,3910 2920,3920 2525,3930 2675,3930 2920,3946.1 5040,3950 5160,3950 5550,3950 5650,3950 5750,3950 5850,3950 5950,3950 5500,4000 5600,4000 5700,4000 5800,4000 5900,4000 3490,4010 3030,4028.9 3100,4032.4 4950,4050 5500,4050 5600,4050 5700,4050 5800,4050 5900,4050 3060,4060 3100,4060 3130,4062.4 2716.21,4062.6 2771.25,4062.6 2814.63,4078.35 2869.68,4078.35 3060,4090 3100,4090 5550,4100 5650,4100 5750,4100 5850,4100 5950,4100 4890,4110 3240,4150 4790,4150 5550,4150 5650,4150 5750,4150 5850,4150 5950,4150 2716.21,4157.09 2771.25,4157.09 3085,4160 2649,4167 2814.63,4172.83 2869.68,4172.83 5500,4200 5600,4200 5700,4200 5800,4200 5900,4200 2540,4210 3085,4235 2649,4242 4670,4250 5500,4250 5600,4250 5700,4250 5800,4250 5900,4250 2716.21,4251.57 2771.25,4251.57 2814.63,4267.32 2869.68,4267.32 4520,4290 5550,4300 5650,4300 5750,4300 5850,4300 5950,4300 5550,4350 5650,4350 5750,4350 5850,4350 5950,4350 5500,4400 5600,4400 5700,4400 5800,4400 5900,4400 4430,4450 5500,4450 5600,4450 5700,4450 5800,4450 5900,4450 4400,4500 5550,4500 5650,4500 5750,4500 5850,4500 5950,4500 4353,4550 5550,4550 5650,4550 5750,4550 5850,4550 5950,4550 4316.91,4582.12 5500,4600 5600,4600 5700,4600 5800,4600 5900,4600 4276.58,4616.35 4235.27,4647.47 4530,4650 5500,4650 5600,4650 5700,4650 5800,4650 5900,4650 4191.36,4680.24 4530,4700 5550,4700 5650,4700 5750,4700 5850,4700 5950,4700 4147.44,4711.99 4096.44,4745.77 4530,4750 5550,4750 5650,4750 5750,4750 5850,4750 5950,4750 4043.74,4778.54 4530,4800 5500,4800 5600,4800 5700,4800 5800,4800 5900,4800 3988,4811.3 3926.52,4848.46 4530,4850 5500,4850 5600,4850 5700,4850 5800,4850 5900,4850 3864.71,4884.61 4530,4900 5550,4900 5650,4900 5750,4900 5850,4900 5950,4900 3802.21,4913.99 3725,4950 4530,4950 5550,4950 5650,4950 5750,4950 5850,4950 5950,4950 4530,5000 5500,5000 5600,5000 5700,5000 5800,5000 5900,5000 4530,5050 5500,5050 5600,5050 5700,5050 5800,5050 5900,5050 4530,5100 5550,5100 5650,5100 5750,5100 5850,5100 5950,5100 4530,5150 5550,5150 5650,5150 5750,5150 5850,5150 5950,5150 5500,5200 5600,5200 5700,5200 5800,5200 5900,5200 4530,5220 5500,5250 5600,5250 5700,5250 5800,5250 5900,5250 5550,5300 5650,5300 5750,5300 5850,5300 5950,5300 4530,5320 5550,5350 5650,5350 5750,5350 5850,5350 5950,5350 5500,5400 5600,5400 5700,5400 5800,5400 5900,5400 4530,5420 5500,5450 5600,5450 5700,5450 5800,5450 5900,5450 4530,5500 5550,5500 5650,5500 5750,5500 5850,5500 5950,5500 4530,5550 5550,5550 5650,5550 5750,5550 5850,5550 5950,5550 5500,5600 5600,5600 5700,5600 5800,5600 5900,5600 4530,5640 5500,5650 5600,5650 5700,5650 5800,5650 5900,5650 5500,5700 5550,5700 5600,5700 5650,5700 5700,5700 5750,5700 5800,5700 5850,5700 5950,5700